# Altium PCB GRIx4.PcbDoc
Units mm, origin at the board's own origin, x right, y up, seen from the top; angles counter-clockwise.
Board outline 87 x 50 mm, 2 copper layers (Top Layer, Bottom Layer), stack 1.07 mm thick; 82 components, 70 nets, 301 pads, 74 vias.
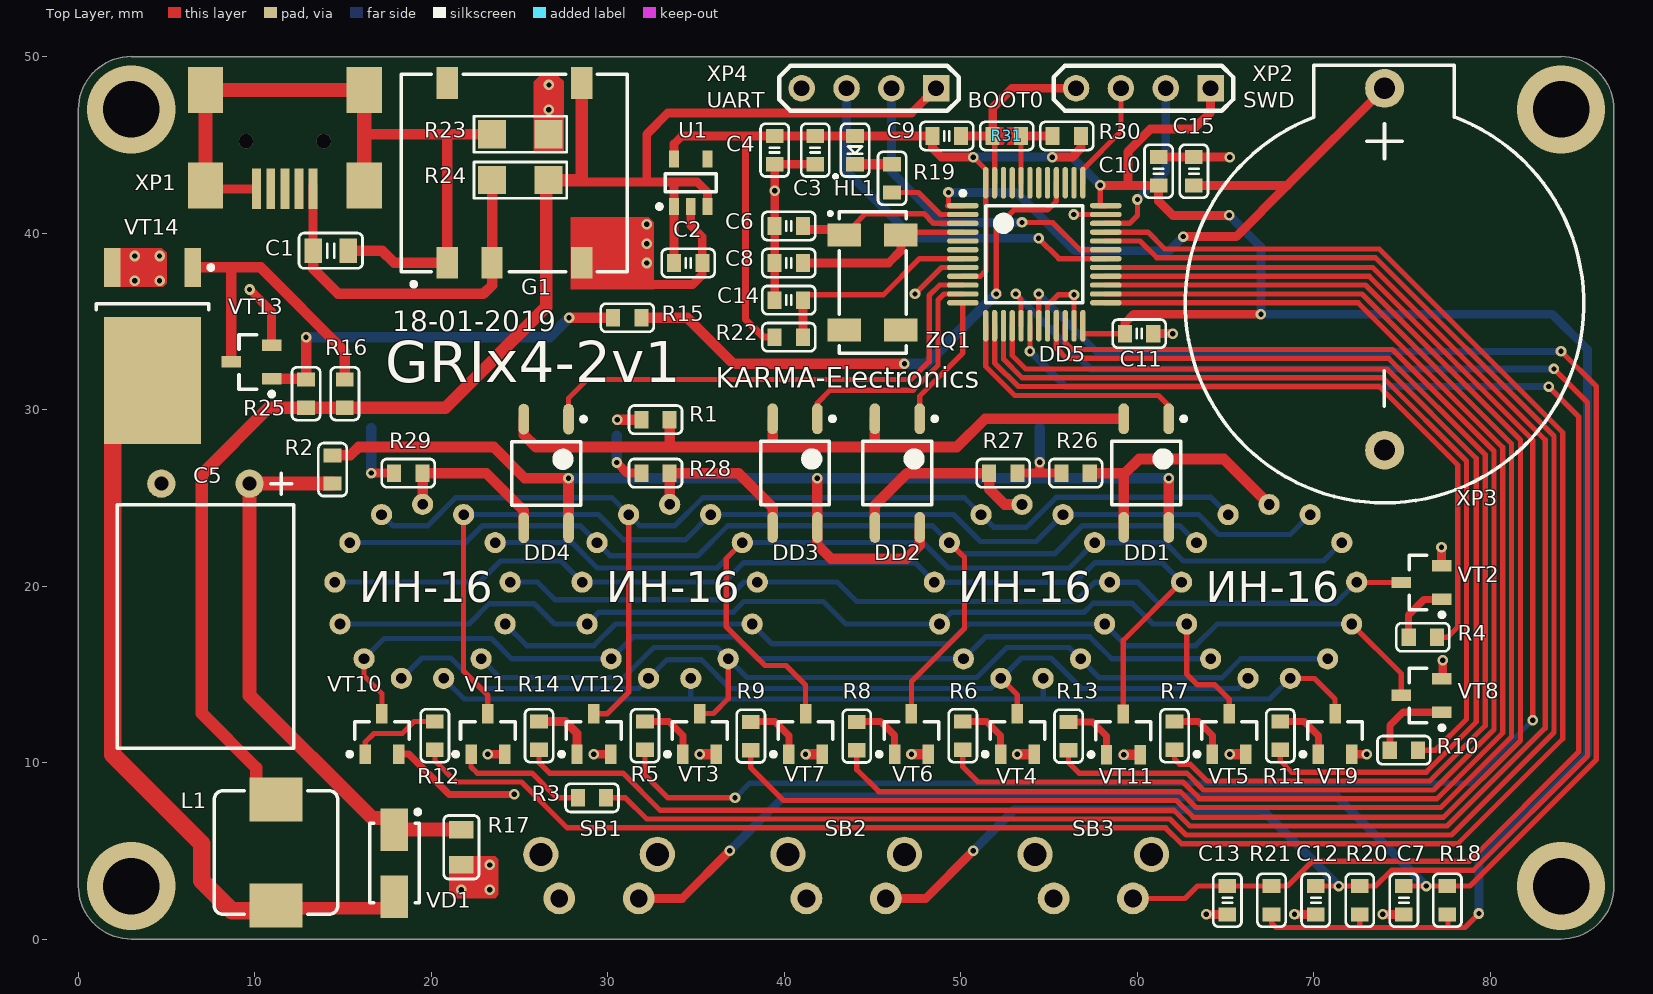
[diagram p0: Top Layer view]
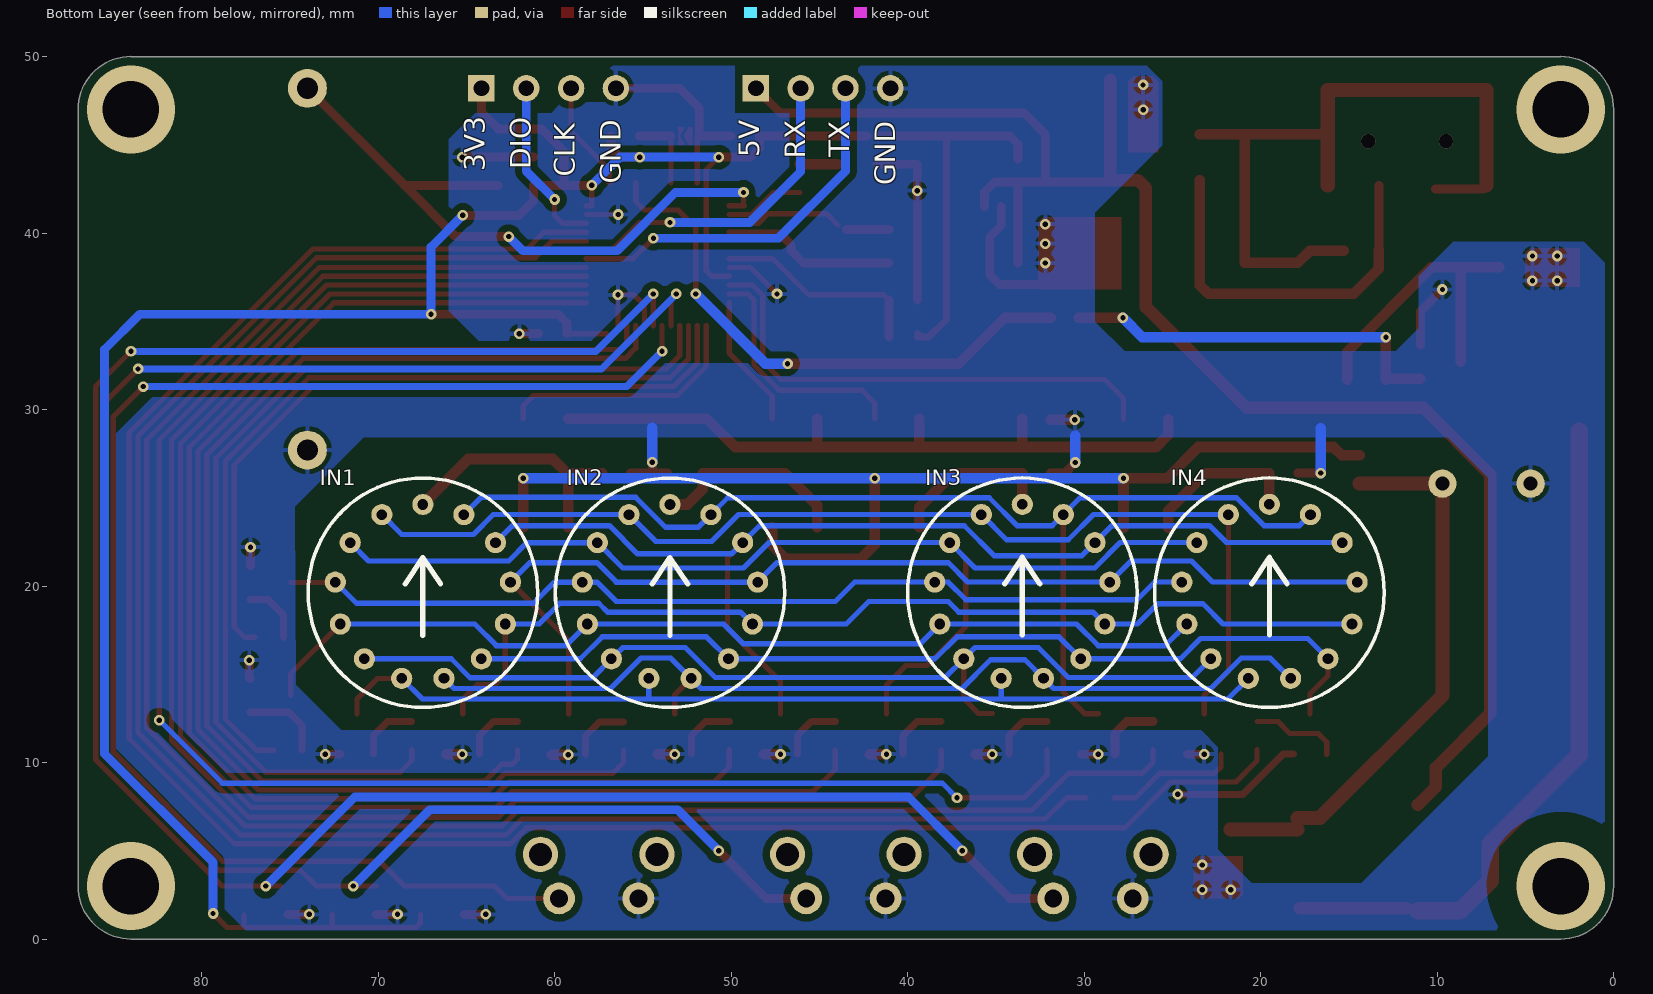
[diagram p1: Bottom Layer view, seen from below]
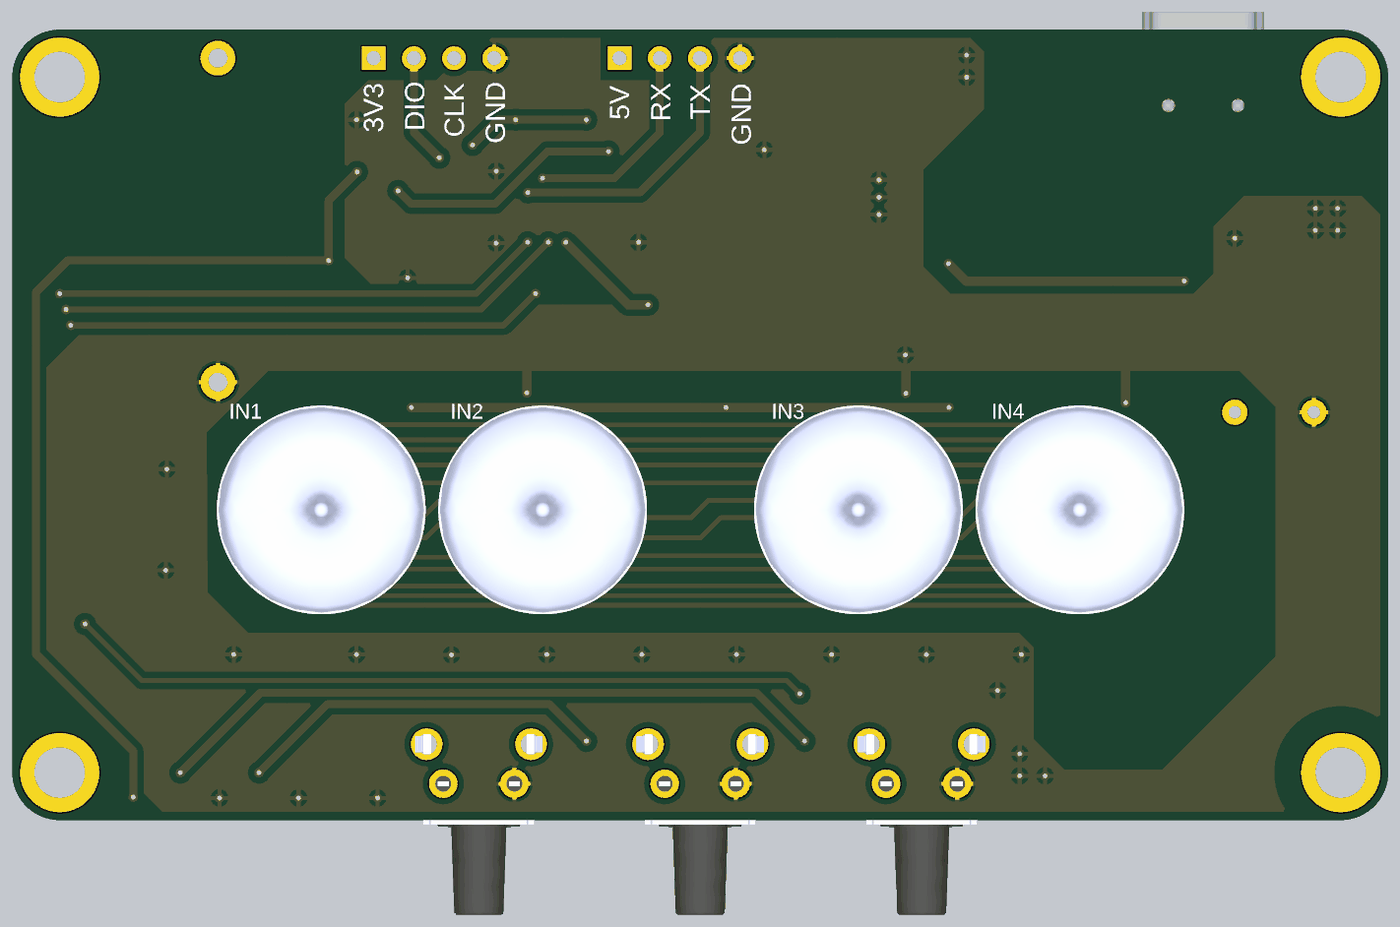
[diagram p2: 3D render of the assembled board from below, using the file's embedded part models]

## Layer stack, top to bottom
Top Solder: solder mask 0.01, Solder Resist, Dk 3.5
Top Layer: signal copper 0.035
Dielectric 1: dielectric 1, FR-4, Dk 4.8
Bottom Layer: signal copper 0.035
Bottom Solder: solder mask 0.01, Solder Resist, Dk 3.5

## Board outline
0,3 0,47 -0.002,47 cw(c3,47) 3,50.002 3,50 84,50 84,50.002 cw(c84,47) 87.002,47 87,47 87,3 cw(c83.998,3) 83.998,-0.002 84,0 3,0 3,-0.002 cw(c3,3)

## Design rules (kind name [scope] priority, off if disabled: settings)
BoardOutlineClearance [All] p1: gap=0.5
Clearance [All] p1: gap=0.2 except(0.4: Arc-Poly Arc-Region Track-Poly Track-Region SMDPad-Poly SMDPad-Region THPad-Poly THPad-Region Via-Poly Via-Region Fill-Poly Fill-Region Poly-Poly Poly-Region Region-Region)
Height [All] p1: minheight=0 maxheight=100 prefheight=12.7
PolygonConnect [All] p1: connectstyle=Relief reliefconductorwidth=0.254 reliefentries=4 polygonreliefangle="90 Angle" airgapwidth=0.254
RoutingVias [All] p1: holewidth=0.3 width=0.6 viastyle="Through Hole" minholewidth=0.3 minwidth=0.6 maxholewidth=6 maxwidth=6
SolderMaskExpansion [All] p1: expansion=0.102
Width [All] p1: maxlimit=1.5 minlimit=0.2 preferedwidth=0.3
29 further rules are at their usual default settings.

## Components (designator, comment, footprint, x,y, rotation, side; value= is the part's Value field where it differs from the comment)
C1 "10u" "CAPACITOR 0805" 13.3,39 r0 top
C2 "1u" "CAPACITOR 0603" 35.35,38.3 r180 top
C3 "1u" "CAPACITOR 0603" 41.75,43.9 r90 top
C4 "0.1u" "CAPACITOR 0603" 39.45,43.9 r90 top
C5 "JRB2G4R7" "CAPASITOR R10" 7.2,25.8 r270 top
C6 "12p" "CAPACITOR 0603" 39.45,40.4 r0 top
C7 "1u" "CAPACITOR 0603" 75.1,3 r270 top
C8 "12p" "CAPACITOR 0603" 39.45,38.3 r0 top
C9 "0.1u" "CAPACITOR 0603" 50,45.5 r180 top
C10 "0.1u" "CAPACITOR 0603" 61.2,44.3 r270 top
C11 "0.1u" "CAPACITOR 0603" 60.9,34.3 r180 top
C12 "1u" "CAPACITOR 0603" 70.1,3 r270 top
C13 "1u" "CAPACITOR 0603" 65.1,3 r270 top
C14 "1u" "CAPACITOR 0603" 39.45,36.2 r0 top
C15 "0.1u" "CAPACITOR 0603" 63.2,42.7 r90 top
DD1 "LTV-352T" SOP-4W 60.5,26.4 r270 top
DD2 "LTV-352T" SOP-4W 46.4,26.4 r270 top
DD3 "LTV-352T" SOP-4W 40.6,26.4 r270 top
DD4 "LTV-352T" SOP-4W 26.5,26.38 r270 top
DD5 "STM32F101C6T6" LQFP-48 54.16,38.8 r0 top
G1 "R1SE-0505" R1SE-0505 20.9,48.5 r0 top
HL1 "LED" "LED 0603" 44,43.9 r90 top
IN1 "IN-16" IN-16 67.464,19.62 r0 bottom
IN2 "IN-16" IN-16 53.464,19.62 r0 bottom
IN3 "IN-16" IN-16 33.5,19.623 r0 bottom
IN4 "IN-16" IN-16 19.5,19.623 r0 bottom
L1 "CDRH74NP-471MC" SRR0603B 11.2,4.9 r270 top
R1 "330" "RESISTOR 0603" 31.9,29.425 r0 top
R2 "10k" "RESISTOR 0603" 14.4,27.4 r270 top
R3 "1k" "RESISTOR 0603" 29.9,8 r180 top
R4 "1k" "RESISTOR 0603" 76.971,17.1 r180 top
R5 "1k" "RESISTOR 0603" 32.1,10.723 r90 top
R6 "1k" "RESISTOR 0603" 50.11,10.723 r90 top
R7 "1k" "RESISTOR 0603" 62.1,10.723 r90 top
R8 "1k" "RESISTOR 0603" 44.1,10.7 r90 top
R9 "1k" "RESISTOR 0603" 38.1,10.7 r90 top
R10 "1k" "RESISTOR 0603" 75.9,10.7 r180 top
R11 "1k" "RESISTOR 0603" 68.1,10.723 r90 top
R12 "1k" "RESISTOR 0603" 20.2,10.723 r90 top
R13 "1k" "RESISTOR 0603" 56.1,10.7 r90 top
R14 "1k" "RESISTOR 0603" 26.1,10.723 r90 top
R15 "330" "RESISTOR 0603" 30.3,35.2 r0 top
R16 "330" "RESISTOR 0603" 15.1,30.1 r90 top
R17 "300k" "RESISTOR 0805" 21.7,4.2 r90 top
R18 "10k" "RESISTOR 0603" 77.564,3 r270 top
R19 "330" "RESISTOR 0603" 46.1,42.3 r90 top
R20 "10k" "RESISTOR 0603" 72.6,3 r270 top
R21 "10k" "RESISTOR 0603" 67.6,3 r270 top
R22 "10k" "RESISTOR 0603" 41.05,34.1 r180 top
R23 "0" "RESISTOR 1206" 23.44,45.6 r0 top
R24 "0" "RESISTOR 1206" 23.44,43 r0 top
R25 "10k" "RESISTOR 0603" 12.9,30.1 r90 top
R26 "510k" "RESISTOR 0603" 55.7,26.4 r0 top
R27 "510k" "RESISTOR 0603" 53.2,26.4 r180 top
R28 "510k" "RESISTOR 0603" 31.9,26.4 r0 top
R29 "510k" "RESISTOR 0603" 17.89,26.4 r0 top
R30 "10k" "RESISTOR 0603" 56.8,45.5 r180 top
R31 "0" "JAMP 0603" 51.8,45.5 r0 top
SB1 "1-1825027-1" BUTTON-R 29.5,2.3 r0 top
SB2 "1-1825027-1" BUTTON-R 43.5,2.3 r0 top
SB3 "1-1825027-1" BUTTON-R 57.5,2.3 r0 top
U1 "TC1185-3.3VCT713" SOT23-5 34.697,42.85 r90 top
VD1 "ES1J" DO-214 17.9,4.3 r270 top
VT1 "MMBTA42LT1" SOT-23 23.2,11.623 r90 top
VT2 "MMBTA42LT1" SOT-23 76.1,20.2 r180 top
VT3 "MMBTA42LT1" SOT-23 35.2,11.623 r90 top
VT4 "MMBTA42LT1" SOT-23 53.2,11.623 r90 top
VT5 "MMBTA42LT1" SOT-23 65.2,11.623 r90 top
VT6 "MMBTA42LT1" SOT-23 47.2,11.623 r90 top
VT7 "MMBTA42LT1" SOT-23 41.2,11.623 r90 top
VT8 "MMBTA42LT1" SOT-23 76.1,13.8 r180 top
VT9 "MMBTA42LT1" SOT-23 71.2,11.623 r90 top
VT10 "MMBTA42LT1" SOT-23 17.2,11.623 r90 top
VT11 "MMBTA42LT1" SOT-23 59.2,11.6 r90 top
VT12 "MMBTA42LT1" SOT-23 29.2,11.623 r90 top
VT13 "MMBTA42LT1" SOT-23 9.8,32.7 r180 top
VT14 "IPD80R900P7" DPAK 4.2,33.6 r270 top
XP1 "PLS-5" USB-mini 11.7,50.4 r270 top
XP2 "PLS-4" PLS-4 64.148,48.2 r180 top
XP3 "KLS5-CR2032-01" CR2032 74,36.2 r90 top
XP4 "PLS-4" PLS-4 48.6,48.2 r180 top
ZQ1 "32.768 kHz" SMD08038C4 45,37.2 r270 top

## Footprints (in the part's own frame and the unit in brackets; to place one, negate y for a bottom-side part, rotate by r counter-clockwise, add the part's x,y. Pads: shape width x height; smd on the part's side, far side on the other; paste and mask are expansions set on the pad)
BUTTON-R [mm]
  round 1.8 hole 1: 1(2.25,0) 2(-2.25,0)
  round 2 hole 1.3: 3(-3.3,2.5) 3(3.3,2.5)
  body extent -4.03,-8.3 4.03,4, height 7.05
"CAPACITOR 0603" [mm]
  rect 0.8x1 smd: 1(0,0) 2(1.6,0)
  silkscreen extent -0.7,-0.8 2.3,0.8, body extent -0.01,-0.38 1.64,0.42, height 0.81
"CAPACITOR 0805" [mm]
  rect 1x1.4 smd: 1(0,0) 2(2,0)
  silkscreen extent -0.8,-1 2.8,1, body extent 0.01,-0.6 2.01,0.6, height 1.26
"CAPASITOR R10" [mm]
  round 1.6 hole 0.8: 1(0,2.5) 2(0,-2.5)
  silkscreen extent -0.6,-5 15,5, body extent -0.3,-5 15,5, height 10
CR2032 [mm]
  round 2.2 hole 1.2: 1(12,0) 2(-8.5,0)
  silkscreen extent -11.49,-11.29 13.31,11.29, body extent -11.3,-11.3 12.2,11.3, height 8
DO-214 [mm] "Molded Diode, 2-Leads, Body 4,20x2,67mm, IPC Medium Density"
  rect 2.4x1.55 smd: 1(-1.9,0) 2(1.9,0)
  silkscreen extent -3.02,-1.4 2.25,1.45, body extent -2.25,-1.4 2.25,1.39, height 2
DPAK [mm]
  rect 2.2x0.95 smd: 1(-4.45,2.28) 2(-4.45,-2.28)
  rect 7.2x5.5 smd: 3(1.95,0)
  silkscreen extent -4.57,-3.2 -2.05,3.43, body extent -2.4,-3.18 3.8,3.18, height 2.38
IN-16 [mm]
  round 1.2 hole 0.6: 1(0,-5) 2(2.324,-4.427) 3(4.115,-2.84) 4(4.964,-0.603) 5(4.675,1.773) 6(3.316,3.743) 7(1.197,4.855) 8(-1.197,4.855) 9(-3.316,3.743) 10(-4.675,1.773) 11(-4.964,-0.603) 12(-4.115,-2.84) 13(-2.324,-4.427)
  silkscreen extent -6.5,-6.5 6.5,6.5, body extent -6.5,-6.5 6.5,6.5, height 46.5
"JAMP 0603" [mm]
  rect 0.8x1 smd: 1(0,0) 2(1.6,0)
  Top Layer region: 0.6,0.5 0.9,0 0.6,-0.5 0.4,-0.5 0.4,0.5
  Top Layer region: 0.8,0.5 1.1,0 0.8,-0.5 1.2,-0.5 1.2,0.5
  silkscreen extent -0.7,-0.8 2.3,0.8
"LED 0603" [mm]
  rect 0.8x1 smd: 1(0,0) 2(1.6,0)
  silkscreen extent -0.8,-0.8 2.3,1.2, body extent -0.1,-0.5 1.7,0.5, height 0.5
LQFP-48 [mm] "QFP, 48-Leads, Body 7x7mm, Pitch 0.5mm, IPC Medium Density"
  oval 1.8x0.3 smd: 1(-4.05,2.75) 2(-4.05,2.25) 3(-4.05,1.75) 4(-4.05,1.25) 5(-4.05,0.75) 6(-4.05,0.25) 7(-4.05,-0.25) 8(-4.05,-0.75) 9(-4.05,-1.25) 10(-4.05,-1.75) 11(-4.05,-2.25) 12(-4.05,-2.75) 25(4.05,-2.75) 26(4.05,-2.25) 27(4.05,-1.75) 28(4.05,-1.25) 29(4.05,-0.75) 30(4.05,-0.25) 31(4.05,0.25) 32(4.05,0.75) 33(4.05,1.25) 34(4.05,1.75) 35(4.05,2.25) 36(4.05,2.75)
  oval 0.3x1.8 smd: 13(-2.75,-4.05) 14(-2.25,-4.05) 15(-1.75,-4.05) 16(-1.25,-4.05) 17(-0.75,-4.05) 18(-0.25,-4.05) 19(0.25,-4.05) 20(0.75,-4.05) 21(1.25,-4.05) 22(1.75,-4.05) 23(2.25,-4.05) 24(2.75,-4.05) 37(2.75,4.05) 38(2.25,4.05) 39(1.75,4.05) 40(1.25,4.05) 41(0.75,4.05) 42(0.25,4.05) 43(-0.25,4.05) 44(-0.75,4.05) 45(-1.25,4.05) 46(-1.75,4.05) 47(-2.25,4.05) 48(-2.75,4.05)
  silkscreen extent -4.17,-2.75 2.75,3.57, body extent -3.5,-3.5 3.5,3.5, height 1.6
PLS-4 [mm]
  rect 1.5x1.5 hole 0.9: 1(0,0)
  round 1.5 hole 0.9: 2(2.54,0) 3(5.08,0) 4(7.62,0)
  silkscreen extent -1.27,-1.27 8.89,1.27, body extent -1.12,-1.12 8.74,1.12, height 8.5
R1SE-0505 [mm]
  rect 1.2x1.8 smd: 1(0,-10.19) 2(2.54,-10.19) 4(7.62,-10.19) 5(7.62,0) 8(0,0)
  silkscreen extent -2.6,-11.52 10.2,0.5, body extent -2.6,-10.65 10.2,0.45, height 7
"RESISTOR 0603" [mm]
  rect 0.8x1 smd: 1(0,0) 2(1.6,0)
  silkscreen extent -0.7,-0.8 2.3,0.8, body extent -0.01,-0.38 1.64,0.42, height 0.31
"RESISTOR 0805" [mm]
  rect 1x1.4 smd: 1(0,0) 2(2,0)
  silkscreen extent -0.8,-1 2.8,1, body extent 0.01,-0.6 2.01,0.6, height 0.52
"RESISTOR 1206" [mm]
  rect 1.6x1.6 smd: 1(0,0) 2(3.2,0)
  silkscreen extent -1.02,-1.02 4.23,1.02, body extent 0.01,-0.8 3.22,0.8, height 0.52
SMD08038C4 [mm] "SMD05032C4"
  rect 1.3x1.9 smd: 1(-2.7,-1.6) 2(2.7,-1.6) 3(2.7,1.6) 4(-2.7,1.6)
  silkscreen extent -4,-2.5 4,1.9, body extent -4,-2.1 4,2.1, height 2.5
SOP-4W [mm] "SOP, 4-Leads, Body 3,85x4,40mm, Pitch 2,54mm, IPC Medium Density"
  oval 1.75x0.6 smd: 1(-3.075,1.27) 2(-3.075,-1.27) 3(3.075,-1.27) 4(3.075,1.27)
  silkscreen extent -3.2,-1.95 1.8,2.25, body extent -2.2,-1.95 2.2,1.95, height 2
SOT23-5 [mm] "SOT23, 5-Leads, Body 2,90x2,80mm, Pitch 0,95mm, IPC Medium Density"
  rect 0.95x0.55 smd: 1(-1.35,0.95) 2(-1.35,0) 3(-1.35,-0.95) 4(1.35,-0.95) 5(1.35,0.95)
  silkscreen extent -1.47,-1.45 0.5,1.9, body extent -0.87,-1.45 0.87,1.45, height 0.9
SOT-23 [mm] "SOT23, 3-Leads, Body 2,86x2,30mm, Pitch 0,95mm, IPC Medium Density"
  rect 1.1x0.65 smd: 1(-1.15,0.95) 2(-1.15,-0.95) 3(1.15,0)
  silkscreen extent -1.27,-1.55 0.7,1.95, body extent -0.7,-1.52 0.7,1.53, height 1.1
SRR0603B [mm]
  rect 2.5x3 smd: 1(-3,0) 2(3,0)
  silkscreen extent -3.5,-3.5 3.5,3.5, body extent -3.5,-3.5 3.5,3.5, height 3.3
USB-mini [mm]
  rect 2.6x2 smd: 0(2.3,4.5) 0(2.3,-4.5) 0(7.7,4.5) 0(7.7,-4.5)
  rect 2.3x0.5 smd: 1(7.9,1.6) 2(7.9,0.8) 3(7.9,0) 4(7.9,-0.8) 5(7.9,-1.6)
  body extent -0.7,-4.95 8.5,4.95, height 4.14

## Part data
C1 C2 C3 C4 C6 C7 C8 C9 C10 C11 C12 C13 C14 C15: library part SMD-CAP, "Capacitor"
C5: library part TC-D, "TC-D"
DD1 DD2 DD3 DD4: library part ACPL-217-500E, "Isolator"
DD5: library part STM32F103C8T6, "Controller"
G1: "POWER"
IN1 IN2 IN3 IN4: "Isolator"
L1: library part Inductor
R1 R2 R3 R4 R5 R6 R7 R8 R9 R10 R11 R12 R13 R14 R15 R16 R17 R18 R19 R20 R21 R22 R23 R24 R25 R26 R27 R28 R29 R30 R31: library part SMD-RES, "Resistor"
SB1 SB2 SB3: library part SWITCH, "Button"
U1: library part TPS76333DBVR, "POWER"
VD1: library part D-Diod, "Diod"
VT1 VT2 VT3 VT4 VT5 VT6 VT7 VT8 VT9 VT10 VT11 VT12 VT13: library part Transistor-NPN, "Transistor"
VT14: library part Channel-N, "Transistor"
XP1: library part XP5, "Connector"
XP2 XP4: library part XP4, "Connector"
XP3: library part XP2, "Connector"
ZQ1: library part Quartz-ALARM, "Quartz"

## Via types
v1: diameter 0.6, hole 0.3, Top Layer to Bottom Layer, tented both sides, 68 vias
v2: diameter 5, hole 3.2, Top Layer to Bottom Layer, 4 vias
v3: diameter 0.8, hole 0.8, Top Layer to Bottom Layer, tented both sides, 2 vias

## Nets (pads, with @x,y where several pads share a name; then routed paths per layer and width w, separated by ;. In a path a pad name is that pad's centre, name@x,y a point inside that pad or via, vN(x,y) a via of type N, cw(c..) or ccw(c..) an arc to the next point about the centre after c; other vN are vias at no path point)
1: IN1.2 IN2.2 IN3.2 IN4.2 VT1.3 | length 63.2
  Top Layer w0.3: IN4.2 21.824,15.176 23.2,13.8 VT1.3
  Bottom Layer w0.3: IN4.2 29.473,24.05 30.9,22.623 34.396,22.623 IN3.2 49.573,24.05 51.1,22.523 54.263,22.523 IN2.2 63.475,24.048 64.6,22.923 68.663,22.923 IN1.2
2: IN1.3 IN2.3 IN3.3 IN4.3 VT7.3 | length 63.8
  Top Layer w0.3: IN3.3 36.7,21.548 36.7,17.7 38.9,15.5 40.1,15.5 41.2,14.4 VT7.3
  Bottom Layer w0.3: IN4.3 27.96,22.463 29.4,21.023 36.175,21.023 IN3.3 47.86,22.463 49.3,21.023 56.141,21.023 IN2.3 61.562,22.461 62.6,21.423 70.541,21.423 IN1.3
3: IN1.4 IN2.4 IN3.4 IN4.4 VT2.3 | length 53.2
  Top Layer w0.3: IN1.4 72.45,20.2 VT2.3
  Bottom Layer w0.3: IN4.4 25.997,20.226 27,19.223 36.7,19.223 37.703,20.226 IN3.4 42.997,20.226 44.1,19.123 56.5,19.123 57.6,20.223 IN2.4 60,20.223 61.2,19.023 71.227,19.023 IN1.4
3V3: C3.2 C4.2 C9.2 C10.2 C11.2 DD5.9 DD5.24 DD5.36 DD5.48 HL1.2 R18.2 R20.2 R21.2 R22.2 R30.1 U1.5 XP2.1 | length 153.6
  Top Layer w0.3: DD5.9 51.1,37.55 51.4,37.85 51.4,40.097 51.41,40.107 DD5.48 51.41,43.59 v1(50.7,44.3) ; 57.06,34.3 C11.2 ; v1(57.9,42.7) 57.9,41.55 DD5.36 ; R21.2 67.6,0.9 67.85,0.65 72.6,0.65 ; R20.2 72.6,0.65 ; R18.2@77.6,1.364 77.6,0.65 ; v1(79.35,1.45) 78.55,0.65 77.6,0.65 ; 72.6,0.65 77.6,0.65
  Top Layer w0.4: 37.8,45.5 37.8,35.1 38.8,34.1 R22.2 ; R22.2@39.25,34.1 R22.2@39.45,34.3
  Top Layer w0.5: U1.5 33.747,45.047 34.2,45.5 C3.2 ; 42.3,45.5 HL1.2 C9.2 48.4,44.8 48.9,44.3 v1(50.7,44.3) ; v1(55.175,44.3) 56.3,44.3 56.8,44.8 R30.1 ; v1(57.9,42.7) 59.46,42.7 ; C11.2 59.3,34.9 59.8,35.4 v1(67,35.4) ; XP2.1 64.148,46.848 63.2,45.9 60.75,45.9 59.46,44.61 59.46,42.7 ; v1(65.2,41) 62,41 61.2,41.8 C10.2 59.46,42.7
  Bottom Layer w0.5: v1(50.7,44.3) 56.3,44.3 v1(57.9,42.7) ; v1(65.2,41) 67,39.2 v1(67,35.4) 83.5,35.4 85.5,33.4 85.5,10.5 79.35,4.35 v1(79.35,1.45)
4: IN1.5 IN2.5 IN3.5 IN4.5 VT8.3 | length 56.1
  Top Layer w0.3: IN1.5 74.95,15.036 VT8.3
  Bottom Layer w0.3: IN4.5 25.402,16.623 29.2,16.623 30.427,17.85 IN3.5 39.302,16.723 49.3,16.723 50.424,17.847 IN2.5 59.363,16.623 63.3,16.623 64.524,17.847 IN1.5
5: IN1.6 IN2.6 IN3.6 IN4.6 VT3.3 | length 55.9
  Top Layer w0.3: VT3.3@35.2,12.784 35.984,12.784 36.816,13.616 IN3.6
  Bottom Layer w0.3: IN4.6 23.873,14.823 30.9,14.823 32.6,16.523 36.173,16.523 IN3.6 37.873,14.823 50.9,14.823 52.6,16.523 56.134,16.523 IN2.6 57.857,14.8 64.777,14.8 65.855,15.878 IN1.6
5V: C2.2 G1.5 L1.1 R16.1 R24.2 R25.1 U1.1 U1.3 XP4.1 | length 91.3
  Top Layer w0.5: 28.62,42.9 32.2,42.9 ; C2.2@33.747,38.3 33.747,42.803 ; U1.3 35.647,42.3 35.047,42.9 32.2,42.9 ; XP4.1 47.2,46.8 33.4,46.8 32.2,45.6 32.2,42.9
  Top Layer w0.7: L1.1@11.1,7.6 10.075,8.625 10.075,9.7 7,12.775 7,26.325 10.775,30.1 20.8,30.1 26.5,35.8 26.5,42.55 26.95,43 28.52,43 G1.5@28.52,48.7
6: IN1.7 IN2.7 IN3.7 IN4.7 VT9.3 | length 55.1
  Top Layer w0.3: IN1.7 70.034,14.766 71.2,13.6 VT9.3
  Bottom Layer w0.3: IN4.7 21.865,13.6 67.494,13.6 IN1.7 ; 34.697,13.6 IN3.7 ; 54.66,13.6 IN2.7
7: IN1.8 IN2.8 IN3.8 IN4.8 VT4.3 | length 54.5
  Top Layer w0.3: IN2.8 53.2,13.833 VT4.3
  Bottom Layer w0.3: IN4.8 19.458,15.923 21.1,15.923 22.823,14.2 31.735,14.2 IN3.8 33.358,15.823 35.3,15.823 36.923,14.2 51.701,14.2 IN2.8 53.424,15.923 55.1,15.923 56.823,14.2 65.701,14.2 IN1.8
8: IN1.9 IN2.9 IN3.9 IN4.9 VT10.3 | length 54.5
  Top Layer w0.3: IN4.9 16.184,14.916 17.2,13.9 VT10.3
  Bottom Layer w0.3: IN4.9 17.327,17.023 23.4,17.023 24.543,15.88 IN3.9 31.427,17.123 37.2,17.123 38.445,15.878 IN2.9 51.393,17.123 57.3,17.123 58.545,15.878 IN1.9
9: IN1.10 IN2.10 IN3.10 IN4.10 VT5.3 | length 57.6
  Top Layer w0.3: IN1.10 62.788,15.012 63.4,14.4 64.4,14.4 65.2,13.6 VT5.3
  Bottom Layer w0.3: IN4.10 22.127,17.85 23.277,19 25.823,19 26.973,17.85 IN3.10 29.498,18.523 37.1,18.523 37.7,19.123 42.2,19.123 43.476,17.847 IN2.10 49.464,18.523 57,18.523 57.5,19.023 59.7,19.023 60.876,17.847 IN1.10
10: IN1.11 IN2.11 IN3.11 IN4.11 VT11.3 | length 59.6
  Top Layer w0.3: VT11.3 59.2,16.923 IN1.11
  Bottom Layer w0.3: IN4.11 22.721,20.226 23.918,21.423 27.339,21.423 IN3.11 36.603,20.226 37.7,21.323 47.4,21.323 IN2.11 56.5,20.223 57.6,21.323 61.4,21.323 IN1.11
11: IN1.12 IN2.12 IN3.12 IN4.12 VT6.3 | length 62.8
  Top Layer w0.3: VT6.3 47.2,14.6 50.2,17.6 50.2,21.609 IN2.12
  Bottom Layer w0.3: IN4.12 21.94,22.463 22.9,23.423 28.425,23.423 IN3.12 30.125,21.723 35.1,21.723 36.79,23.413 48.396,23.413 IN2.12 49.986,21.823 55.3,21.823 56.9,23.423 62.386,23.423 IN1.12
12: IN1.13 IN2.13 IN3.13 IN4.13 VT12.3 | length 64.5
  Top Layer w0.3: VT12.3 29.973,12.773 31.176,13.976 IN3.13
  Bottom Layer w0.3: IN4.13 17.804,23.423 19.8,23.423 21.377,25 30.226,25 IN3.13 31.804,23.423 33.8,23.423 35.377,25 50.187,25 IN2.13 51.865,23.323 53.7,23.323 55.4,25.023 64.165,25.023 IN1.13
180V: C5.1 R2.2 R17.2 VD1.1 | length 31.5
  Top Layer w0.8: C5.1@9.7,25.7 9.7,13.8 16.65,6.85 VD1.1@17.9,6.85 ; C5.1 R2.2 ; VD1.1 R17.2
ANOD1: DD1.3 IN1.1 R26.2 | length 14.6
  Top Layer w0.6: R26.2 59.23,26.4 DD1.3 ; 59.265,26.365 60.1,27.2 64.884,27.2 IN1.1
ANOD2: DD2.3 IN2.1 R27.2 | length 11.6
  Top Layer w0.6: DD2.3 45.13,24.58 46.95,26.4 R27.2 51.6,25.5 52.48,24.62 IN2.1
ANOD3: DD3.3 IN3.1 R28.2 | length 9.6
  Top Layer w0.6: IN3.1 R28.2 37.4,26.4 39.33,24.47 DD3.3
ANOD4: DD4.3 IN4.1 R29.2 | length 9.4
  Top Layer w0.6: IN4.1 19.5,26.4 23.1,26.4 25.23,24.27 DD4.3
BUT1: C7.1 DD5.19 R18.1 SB1.1 | length 119.4
  Top Layer w0.3: DD5.19 v1(54.41,36.55) ; C7.1@75.5,3 78.836,3 86,10.164 86,31.3 v1(84,33.3)
  Top Layer w0.5: SB1.1@31.75,1.8 SB1.1@31.85,1.7 ; SB1.1 34.2,2.3 v1(36.9,5)
  Bottom Layer w0.4: v1(54.41,36.55) 57.66,33.3 v1(84,33.3)
  Bottom Layer w0.5: v1(36.9,5) 39.95,8.05 71.322,8.05 v1(76.372,3)
BUT2: C12.1 DD5.17 R20.1 SB2.1 | length 104.9
  Top Layer w0.3: v1(53.1,36.55) 53.41,36.24 DD5.17 ; C12.1 73.5,3 74.4,3.9 79.028,3.9 85.5,10.372 85.5,30.4 v1(83.6,32.3)
  Top Layer w0.5: SB2.1 48,2.3 v1(50.7,5)
  Bottom Layer w0.4: v1(53.1,36.55) 57.35,32.3 v1(83.6,32.3)
  Bottom Layer w0.5: v1(50.7,5) 53.025,7.325 67.075,7.325 v1(71.4,3)
BUT3: C13.1 DD5.18 R21.1 SB3.1 | length 81.8
  Top Layer w0.3: v1(53.91,33.3) DD5.18 ; SB3.1 62.7,2.3 63.4,3 C13.1 R21.1 68.5,3 69.9,4.4 78.8,4.4 85,10.6 85,29.6 v1(83.3,31.3)
  Bottom Layer w0.4: v1(53.91,33.3) 55.91,31.3 v1(83.3,31.3)
CATH1: DD5.32 R3.1 | length 103.7
  Top Layer w0.3: R3.1 31,8 32.2,6.8 61.857,6.8 62.757,5.9 77.8,5.9 83.6,11.7 83.6,28.493 73.493,38.6 61.1,38.6 60.15,39.55 DD5.32
CATH2: DD5.27 R9.1 | length 91.7
  Top Layer w0.3: R9.1 38.1,9.7 39.95,7.85 62.222,7.85 63.172,6.9 77.343,6.9 81.7,11.257 81.7,28.272 72.922,37.05 DD5.27
CATH3: DD5.14 R4.1 | length 41.3
  Top Layer w0.3: DD5.14 51.91,32.647 53.257,31.3 73.7,31.3 78.15,26.85 78.15,17.686 77.564,17.1 R4.1
CATH4: DD5.15 R10.1 | length 48.6
  Top Layer w0.3: DD5.15 52.41,32.854 53.464,31.8 73.929,31.8 78.65,27.079 78.65,12.45 76.9,10.7 R10.1
CATH5: DD5.28 R5.1 | length 98
  Top Layer w0.3: R5.1 32.1,9.3 33.4,8 v1(37.2,8) ; DD5.28 73.129,37.55 82.4,28.279 v1(82.4,12.4)
  Bottom Layer w0.3: v1(37.2,8) 38.025,8.825 78.825,8.825 v1(82.4,12.4)
CATH6: DD5.16 R11.1 | length 58.5
  Top Layer w0.3: DD5.16 52.91,33.061 53.671,32.3 74.136,32.3 79.2,27.236 79.2,12.293 76.36,9.453 68.747,9.453 68.1,10.1 R11.1
CATH7: DD5.25 R6.1 | length 75.9
  Top Layer w0.3: R6.1 50.11,9.75 50.96,8.9 62.586,8.9 63.536,7.95 76.978,7.95 80.7,11.672 80.7,27.857 72.507,36.05 DD5.25
CATH8: DD5.33 R12.1 | length 116.9
  Top Layer w0.3: R12.1 20.2,10.1 21.4,8.9 25.1,8.9 27.7,6.3 61.6,6.3 62.5,5.4 78.15,5.4 84.1,11.35 84.1,28.7 73.7,39.1 61.55,39.1 60.6,40.05 DD5.33
CATH9: DD5.21 R7.1 | length 63.4
  Top Layer w0.3: DD5.21 55.41,33.477 55.987,32.9 74.243,32.9 79.7,27.443 79.7,12.086 76.564,8.95 63.95,8.95 63,9.9 62.4,9.9 62.1,10.2 R7.1
CATH10: DD5.22 R13.1 | length 70.4
  Top Layer w0.3: DD5.22 55.91,33.79 56.3,33.4 74.45,33.4 80.2,27.65 80.2,11.879 76.771,8.45 63.743,8.45 62.793,9.4 56.7,9.4 56.1,10 R13.1
CATH11: DD5.26 R8.1 | length 83.9
  Top Layer w0.3: R8.1 44.1,9.6 45.35,8.35 62.429,8.35 63.329,7.45 77.186,7.45 81.2,11.464 81.2,28.064 72.714,36.55 DD5.26
CATH12: DD5.29 R14.1 | length 106.8
  Top Layer w0.3: R14.1 26.1,10 26.7,9.4 30.85,9.4 32.95,7.3 62.064,7.3 62.964,6.4 77.55,6.4 83.1,11.95 83.1,28.286 73.336,38.05 DD5.29
CLK: DD5.37 XP2.3 | length 6.2
  Top Layer w0.3: DD5.37 56.91,43.61 59.068,45.768 XP2.3
DIO: DD5.34 XP2.2 | length 9.8
  Top Layer w0.3: DD5.34 59.55,40.55 60,41 v1(60,41.9)
  Bottom Layer w0.5: v1(60,41.9) 61.608,43.508 XP2.2
GND: C2.1 C3.1 C4.1 C5.2 C6.1 C7.2 C8.1 C9.1 C10.1 C11.1 C12.2 C13.2 C14.1 C15.2 DD5.8 DD5.20 DD5.23 DD5.35 DD5.47 G1.4 R1.1 R17.1 R23.2 R26.1 R27.1 R28.1 R29.1 R31.1 SB1.2 SB2.2 SB3.2 U1.2 VT1.2 VT2.2 VT3.2 VT4.2 VT5.2 VT6.2 VT7.2 VT8.2 VT9.2 VT10.2 VT11.2 VT12.2 VT13.2 VT14.2 XP2.4 XP3.2 XP4.4 | length 82.9
  Top Layer w0.3: v1(47.4,36.55) 48.9,38.05 DD5.8 ; DD5.47 R31.1@51.91,45.39 ; DD5.20 54.91,35.91 55.5,36.5 v1(56.41,36.5) DD5.23 ; v1(56.4,41.05) DD5.35
  Top Layer w0.4: VT10.2 18.727,10.473 21,8.2 v1(24.7,8.2)
  Top Layer w0.5: v1(9.7,36.8) 10.95,35.55 VT13.2 ; v1(16.6,26.4) R29.1 ; v1(23.2,10.473) VT1.2 ; G1.4@28.52,38.51 G1.4@28.53,38.5 ; v1(29.2,10.473) VT12.2 ; v1(30.5,27) 31.1,26.4 R28.1 ; v1(32.2,38.3) 32.2,37.075 34.797,37.075 35.35,37.628 C2.1 35.35,39.775 34.697,40.428 U1.2 ; C14.1 C8.1 C6.1 C4.1 C3.1 ; C9.1 R31.1 51.8,47.1 52.9,48.2 XP2.4 ; R27.1@53.6,26.4 R26.1 ; 54.46,26.59 v1(54.46,27.022) ; C11.1 v1(62,34.3) ; C10.1 v1(65.225,44.3) ; v1(63.9,1.4) C13.2 ; v1(68.9,1.4) C12.2 ; VT9.2 v1(73,10.473) ; v1(73.9,1.4) C7.2 ; VT2.2@77.227,21.15 v1(77.227,22.2) ; VT8.2 77.3,14.8 v1(77.3,15.8)
  Top Layer w0.6: v1(30.527,29.425) R1.1 ; v1(35.2,10.473) VT3.2 ; v1(41.2,10.473) VT7.2 ; v1(47.2,10.473) VT6.2 ; v1(53.2,10.473) VT4.2 ; v1(59.23,10.45) VT11.2 ; v1(65.23,10.473) VT5.2
  Bottom Layer w0.6: v1(16.6,26.4) 16.6,28.933 ; v1(30.5,27) 30.5,28.5 ; v1(54.46,27.022) 54.46,28.953
  other v1: 21.7,2.8 23.3,2.8 23.3,4.2 3.2,37.3 4.6,37.3 3.2,38.7 4.6,38.7 32.2,39.4 32.2,40.5 39.45,42.4 26.65,46.99 26.66,48.39
ISO5V: C1.1 G1.2 R24.1 XP1.1 | length 21.4
  Top Layer w0.5: C1.1 XP1.1 XP1.1@13.3,42.7
  Top Layer w0.6: C1.1 13.3,37.975 14.725,36.55 22.95,36.55 23.44,37.04 G1.2 ; G1.2@23.44,38.51 R24.1
ISOGND: C1.2 G1.1 R23.1 XP1.0 XP1.5 | length 43.1
  Top Layer w0.5: XP1.0@7.2,42.7 7.4,42.5 XP1.5
  Top Layer w0.6: C1.2 17.2,39 17.89,38.31 G1.1 20.9,45.6 ; 16.2,45.6 20.9,45.6 ; R23.1 20.9,45.6
  Top Layer w0.8: XP1.0@7.2,42.7 7.2,48.1 16.2,48.1 16.2,45.65 ; XP1.0@16.2,42.7 16.2,45.6
LED: DD5.2 R19.1 | length 4.5
  Top Layer w0.3: R19.1 47.6,42.3 48.85,41.05 DD5.2
NetC6_2: C6.2 DD5.3 ZQ1.1 | length 9.1
  Top Layer w0.3: ZQ1.1@43.96,40.46 44.6,41.1 47.9,41.1 48.45,40.55 DD5.3
  Top Layer w0.5: C6.2@41.05,40.2 ZQ1.1@43.46,40.2
NetC8_2: C8.2 DD5.4 ZQ1.4 | length 9.8
  Top Layer w0.3: ZQ1.4@47.31,40.05 DD5.4
  Top Layer w0.5: C8.2 45.9,38.3 46.6,39 46.6,39.34 ZQ1.4@47.16,39.9
NetDD1_2: DD1.2 DD2.2 DD3.2 DD4.2 R1.2 | length 40.6
  Top Layer w0.6: DD4.2 25.23,28.57 25.925,27.875 33.5,27.875 ; R1.2@33.5,29.475 33.5,27.875 ; 39.33,27.945 DD3.2 ; DD2.2 45.13,27.875 ; DD1.2 51.375,29.475 49.775,27.875 45.13,27.875 ; 33.5,27.875 45.13,27.875
NetDD1_4: DD1.4 DD2.4 DD3.4 DD4.4 R2.1 | length 65.1
  Top Layer w0.6: R2.1 15.4,27.4 15.875,27.875 23.525,27.875 25.3,26.1 v1(27.77,26.1) DD4.4 ; v1(41.87,26.1) DD3.4 41.87,22.33 42.652,21.548 46.909,21.548 47.67,22.31 DD2.4 ; DD1.4 v1(61.77,26.1)
  Bottom Layer w0.6: v1(27.77,26.1) v1(41.87,26.1) v1(61.77,26.1)
NetDD5_44: DD5.44 R30.2 R31.2 | length 4.4
  Top Layer w0.3: DD5.44 R31.2@53.41,45.49
  Top Layer w0.5: R31.2 R30.2
NetHL1_1: HL1.1 R19.2 | length 2.1
  Top Layer w0.6: HL1.1 R19.2
NetL1_2: L1.2 VD1.2 VT14.3 | length 38.4
  Top Layer w0.7: L1.2@11.75,1.75 VD1.2@17.8,1.75
  Top Layer w1: VT14.3@1.95,28.775 1.95,10.45 7,5.4 7,3.3 8.7,1.6 L1.2@11.1,1.6
NetR3_2: R3.2 VT1.1 | length 7.5
  Top Layer w0.3: VT1.1 22.25,9.75 22.6,9.4 25.7,9.4 27.1,8 R3.2
NetR4_2: R4.2 VT2.1 | length 3.5
  Top Layer w0.4: R4.2 75.371,18.371 76.25,19.25 VT2.1
NetR5_2: R5.2 VT3.1 | length 3.5
  Top Layer w0.4: R5.2 33.456,12.323 34.25,11.529 VT3.1
NetR6_2: R6.2 VT4.1 | length 3.5
  Top Layer w0.4: R6.2@50.1,12.323 51.456,12.323 52.25,11.529 VT4.1
NetR7_2: R7.2 VT5.1 | length 3.5
  Top Layer w0.4: R7.2 63.456,12.323 64.25,11.529 VT5.1
NetR8_2: R8.2 VT6.1 | length 3.5
  Top Layer w0.4: R8.2@44.1,12.323 45.456,12.323 46.25,11.529 VT6.1
NetR9_2: R9.2 VT7.1 | length 3.5
  Top Layer w0.4: R9.2@38.1,12.323 39.456,12.323 40.25,11.529 VT7.1
NetR10_2: R10.2 VT8.1 | length 4.7
  Top Layer w0.4: R10.2 74.3,12.1 75.05,12.85 VT8.1
NetR11_2: R11.2 VT9.1 | length 3.5
  Top Layer w0.4: R11.2 69.456,12.323 70.25,11.529 VT9.1
NetR12_2: R12.2 VT10.1 | length 5.1
  Top Layer w0.3: VT10.1 16.25,11.15 16.75,11.65 18.35,11.65 19.023,12.323 R12.2
NetR13_2: R13.2 VT11.1 | length 3.5
  Top Layer w0.4: R13.2 57.456,12.3 58.25,11.506 VT11.1
NetR14_2: R14.2 VT12.1 | length 3.6
  Top Layer w0.5: R14.2 27.577,12.323 28.25,11.65 VT12.1
NetR15_1: R15.1 R25.2 VT13.1 | length 22.2
  Top Layer w0.6: VT13.1 R25.2@12.85,31.75 ; R25.2 v1(12.9,34.1) ; v1(27.8,35.2) R15.1
  Bottom Layer w0.5: v1@12.85,34.1 v1(12.9,34.1)
  Bottom Layer w0.6: v1(12.9,34.1) 26.7,34.1 v1(27.8,35.2)
NetR16_2: R16.2 VT13.3 VT14.1 | length 17.5
  Top Layer w0.6: VT14.1 10.325,38.05 15.1,33.275 R16.2 ; VT13.3 8.65,38
NRST: C14.2 DD5.7 R22.1 | length 12.1
  Top Layer w0.3: C14.2 41.35,36.5 45.6,36.5 47.65,38.55 DD5.7
  Top Layer w0.5: R22.1 C14.2
OPT1: DD1.1 DD5.13 | length 14.3
  Top Layer w0.3: DD5.13 51.41,32.44 53.05,30.8 61.2,30.8 61.77,30.23 DD1.1
OPT2: DD2.1 DD5.12 | length 7.6
  Top Layer w0.3: DD2.1 47.67,30.77 50.11,33.21 DD5.12
OPT3: DD3.1 DD5.11 | length 13.9
  Top Layer w0.3: DD3.1 41.87,30.37 42.6,31.1 47.293,31.1 48.7,32.507 48.7,36.2 49.05,36.55 DD5.11
OPT4: DD4.1 DD5.10 | length 28.4
  Top Layer w0.3: DD4.1 27.77,30.64 28.83,31.7 47.186,31.7 48.2,32.714 48.2,36.45 48.8,37.05 DD5.10
PWM: DD5.40 R15.2 | length 31.6
  Top Layer w0.3: v1(52,36.55) 52,40.3 53,41.3 54.91,41.3 55.41,41.8 DD5.40
  Top Layer w0.6: R15.2 34.5,35.2 37.1,32.6 v1(46.8,32.6)
  Bottom Layer w0.6: v1(46.8,32.6) 48.05,32.6 v1(52,36.55)
U_RX: DD5.31 XP4.2 | length 18.7
  Top Layer w0.3: v1(53.464,40.6) 55.2,40.6 56.75,39.05 DD5.31
  Bottom Layer w0.5: XP4.2 46.06,43.485 48.945,40.6 v1(53.464,40.6)
U_TX: DD5.30 XP4.3 | length 21.4
  Top Layer w0.3: v1(54.4,39.7) 55.55,38.55 DD5.30
  Bottom Layer w0.5: XP4.3 43.52,43.498 47.318,39.7 v1(54.4,39.7)
VBAT: C15.1 DD5.1 XP3.1 | length 37.6
  Top Layer w0.3: DD5.1@49.25,41.55 DD5.1 49.3,41.55 v1(49.3,42.3)
  Top Layer w0.5: v1(62.6,39.8) 65.6,39.8 68.5,42.7 ; C15.1 68.5,42.7 ; XP3.1 68.5,42.7
  Bottom Layer w0.5: v1(49.3,42.3) 53.15,42.3 56.45,39 61.8,39 v1(62.6,39.8)
pads on no net: DD5.5 DD5.6 DD5.38 DD5.39 DD5.41 DD5.42 DD5.43 DD5.45 DD5.46 G1.8 SB1.3 SB2.3 SB3.3 U1.4 XP1.2 XP1.3 XP1.4 ZQ1.2 ZQ1.3
copper on no net:
  other v2: 3,3 84,3 3,47 84,47
  other v3: 9.5,45.2 13.9,45.2

## Polygon pours and split planes (outlines as drawn)
GND on Bottom Layer "Bottom Layer-No Net" (solid, remove dead copper, pour order 0): 0,2 0,47 -0.002,47 cw(c3,47) 3,50.002 3,50 84,50 84,50.002 cw(c84,47) 87.002,47 87,47 87,2 87.002,2 cw(c84,2) 84,-1.002 84,-1 3,-1 3,-1.002 cw(c3.001,1.999)

## Other copper
Top Layer:
  region net GND: 1.92,36.95 4.8,36.95 5,37.15 5,38.875 4.725,39.15 1.92,39.15
  region net GND: 27.9,40.9 27.9,36.825 32.6,36.825 32.6,38.1 32.6,40.603 32.303,40.9
  region net GND: 25.8,44.59 25.8,48.565 26.125,48.89 27.2,48.89 27.5,48.59 27.5,44.59
  region net GND: 21,2.5 21.2,2.3 23.615,2.3 23.615,2.315 23.8,2.5 23.8,4.515 23.615,4.7 21,4.7
Bottom Layer:
  pour cut-out: 23.371,11.85 72.1,11.85 74.645,14.395 74.703,24.497 70.8,28.4 67.7,28.4 10.7,28.4 9.392,28.4 7.14,26.148 7.14,12.5 7.14,10.36 14.3,3.2 20.512,3.2 22.4,5.088 22.4,6.9 22.4,10.879
  pour cut-out: 0,37.8 1.7,39.5 9.1,39.5 11.05,37.55 11.05,34.599 12.349,33.3 27.7,33.3 29.385,34.985 29.385,41.15 25.566,44.969 25.566,48.6 26.966,50 0,50
  pour cut-out: 79.494,2.497 77.097,0.1 79.503,0.1
  pour cut-out: 64.3,47 66,45.3 66,35.6 62.4,32 81.5,32 87.002,26.498 87,43.9 87,50.03 64.3,50
  pour cut-out: 42.8,49.7 42.8,47.4 45.4,47.4 46,46.8 49.8,46.8 49.8,49.7
  pour cut-out: 56.988,49.7 56.988,47.4 59.588,47.4 60.188,46.8 66.4,46.8 66.4,49.7
  pour cut-out: 54,32.618 48.765,32.618 48.765,32.982 51.983,36.2 52.989,36.2 57.289,31.9 57.089,31.7 54.899,31.7
  pour cut-out: -0.021,5.92 cw(c3,3) 5.92,-0.021 5.9,0 0,0

## Silkscreen, mask and mechanical layers (free items; w line width, h text height)
Top Overlay:
  text "UART" at 35.6,46.8 h1.52
  text "BOOT0" at 50.4,46.8 h1.52
  text "SWD" at 66,46.8 h1.52
  text "18-01-2019" at 17.775,34.025 h2
  text "KARMA-Electronics" at 36.1,30.825 h2
  text "GRIx4-2v1" at 17.4,30.77 h4
  text "ИН-16" at 15.9,18.5 h3
  text "ИН-16" at 29.9,18.5 h3
  text "ИН-16" at 49.864,18.497 h3
  text "ИН-16" at 63.864,18.497 h3
Bottom Overlay:
  text "TX" at 42.9,44.3 h2 r270
  text "5V" at 48,44.3 h2 r270
  text "RX" at 45.4,44.2 h2 r270
  text "DIO" at 60.95,43.6 h2 r270
  text "3V3" at 63.55,43.5 h2 r270
  text "CLK" at 58.45,43.2 h2 r270
  text "GND" at 55.85,42.8 h2 r270
  text "GND" at 40.3,42.7 h2 r270
Mechanical 2:
  lines w0.2: -0.002,3 ccw(c3,3) 3,-0.002 ; -0.002,47 cw(c3,47) 3,50.002 ; 0,3 0,47 ; 3,0 84,0 ; 3,50 84,50 ; 83.998,-0.002 ccw(c83.998,3) 87,3 87,47 ; 84,50.002 cw(c84,47) 87.002,47
Mechanical 15:
  text "5V" at 52.2,43.9 h0.4
  text "5V" at 52.7,43.9 h0.4
  text "5V" at 53.7,43.9 h0.4
  text "5V" at 54.2,43.9 h0.4
  text "5V" at 55.2,43.9 h0.4
  text "5V" at 55.7,43.9 h0.4
  text "5V" at 59.3,39.9 h0.4
  text "5V" at 59.3,39.4 h0.4
  text "5V" at 59.3,38.9 h0.4
  text "5V" at 59.3,38.4 h0.4
  text "5V" at 59.3,37.9 h0.4
  text "5V" at 59.3,37.4 h0.4
  text "5V" at 59.3,36.9 h0.4
  text "5V" at 59.3,36.4 h0.4
  text "5V" at 59.3,35.9 h0.4
  text "5V" at 55.2,33.4 h0.4
  text "5V" at 55.7,33.4 h0.4